# Altium PCB HYDRA_V4_LINK_V2.PcbDoc (part 3 of 3)
Units mm, origin at the board's own origin, x right, y up, seen from the top; angles counter-clockwise.
Board outline 50 x 44 mm, 4 copper layers (TOP SIG, PWR + INT SIG, GND, BOTTOM SIG), stack 1.586 mm thick; 197 components, 145 nets, 764 pads, 280 vias.
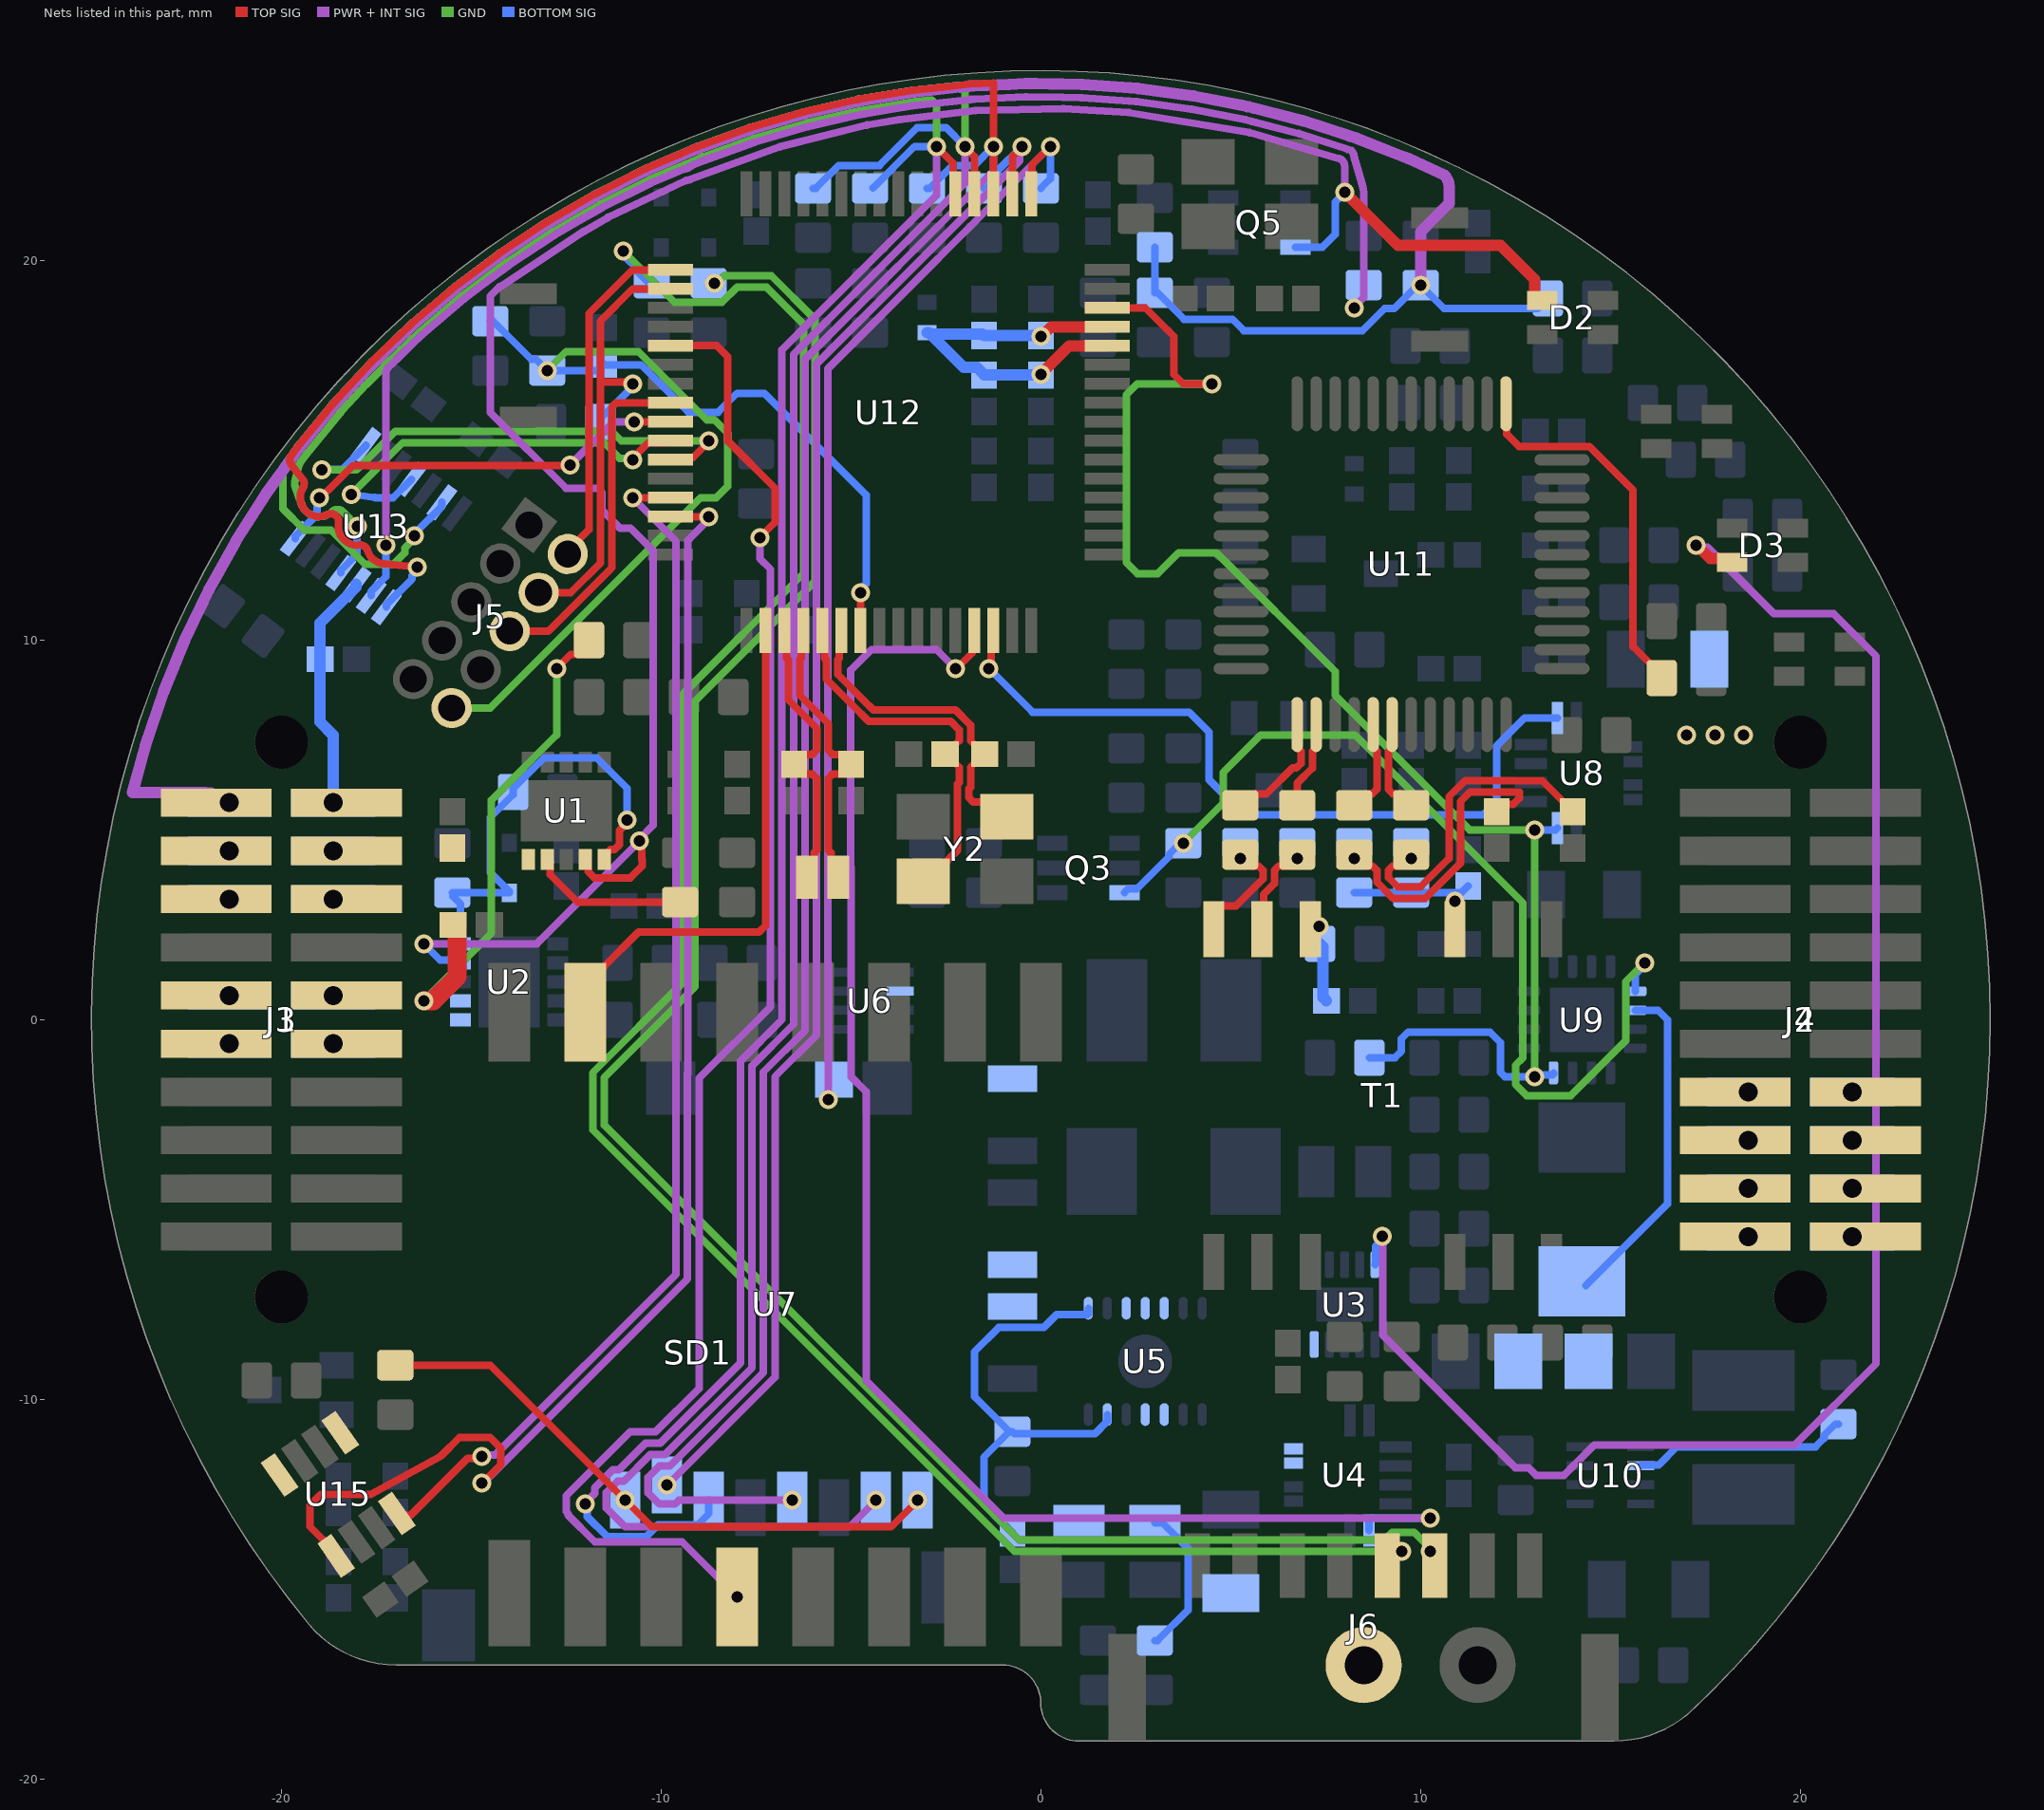
[diagram p5: the nets of this part, all layers, seen from the top]

## Via types
v1: diameter 0.5, hole 0.3, TOP SIG to BOTTOM SIG, tented both sides, 235 vias
v2: diameter 0.7, hole 0.5, TOP SIG to BOTTOM SIG, tented both sides, 40 vias
v3: diameter 0.5, hole 0.3, TOP SIG to BOTTOM SIG, 5 vias

## Nets (pads, with @x,y where several pads share a name; then routed paths per layer and width w, separated by ;. In a path a pad name is that pad's centre, name@x,y a point inside that pad or via, vN(x,y) a via of type N, cw(c..) or ccw(c..) an arc to the next point about the centre after c; other vN are vias at no path point) (continued)
NetR98_2: R98.2 U13.9 | length 37.9
  PWR + INT SIG w0.2: v1(-17.25,12.5) -17.25,16.949 cw(c-17.05,16.949) -17.25,16.954 -17.248,17.03 cw(c-17.048,17.025) -17.19,17.165 -16.811,17.544 cw(c-16.669,17.403) -16.808,17.547 -16.552,17.793 -16.298,18.037 cw(c-16.159,17.892) -16.289,18.044 -15.189,18.98 cw(c-15.06,18.827) -15.18,18.987 -14.603,19.421 -14.026,19.855 cw(c-13.906,19.695) -14.016,19.861 -12.812,20.659 cw(c-12.702,20.492) -12.8,20.666 -12.177,21.027 -11.552,21.389 ; -11.551,21.389 cw(c-11.453,21.215) -11.543,21.394 -10.253,22.041 cw(c-10.163,21.862) -10.242,22.046 -9.642,22.304 ; -9.641,22.304 -9.414,22.401 ccw(c-9.414,22.68) -9.217,22.483 cw(c-9.109,22.314) -9.188,22.498 -8.915,22.615 cw(c-8.837,22.431) -8.906,22.619 cw(c-8.799,22.337) -8.901,22.621 -7.549,23.107 cw(c-7.447,22.823) -7.545,23.109 cw(c-7.478,22.92) -7.533,23.112 cw(c-7.447,22.823) -7.532,23.113 -6.971,23.277 -6.15,23.518 cw(c-6.094,23.326) -6.138,23.521 -4.734,23.844 cw(c-4.667,23.55) -4.73,23.845 cw(c-4.687,23.649) -4.718,23.847 cw(c-4.667,23.55) -4.717,23.847 -4.643,23.859 -3.767,24.006 -3.295,24.085 ; -3.295,24.085 cw(c-3.263,23.887) -3.284,24.086 -1.852,24.238 cw(c-1.831,24.039) -1.841,24.239 -1.755,24.243 cw(c-1.745,24.044) -1.753,24.243 -1.751,24.244 -0.397,24.306 cw(c-0.384,24.004) -0.381,24.306 0.586,24.293 1.058,24.286 cw(c1.055,24.086) 1.06,24.286 cw(c1.058,24.086) 1.074,24.285 cw(c1.053,23.984) 1.075,24.285 2.326,24.193 2.509,24.179 cw(c2.486,23.878) 2.512,24.179 cw(c2.497,23.979) 2.524,24.178 3.951,23.986 cw(c3.924,23.788) 3.953,23.986 3.957,23.985 cw(c3.928,23.787) 3.966,23.983 5.38,23.706 cw(c5.322,23.41) 5.396,23.703 5.557,23.661 6.789,23.342 cw(c6.713,23.05) 6.792,23.341 cw(c6.741,23.148) 6.804,23.337 cw(c6.713,23.05) 6.806,23.337 8.086,22.922 8.176,22.893 cw(c7.998,22.715) 8.25,22.715 8.261,22.686 ccw(c8.448,22.756) 8.263,22.681 cw(c7.8,22.487) 8.282,22.625 8.48,21.94 cw(c8,21.8) 8.5,21.8 8.5,19.017 8.25,18.767 v1(8.25,18.75)
  BOTTOM SIG w0.2: U13.9@-17.63,11.166 -17.63,11.285 -17.25,11.665 v1(-17.25,12.5)
NetU4_11: U4.11 U12.13 | length 41.5
  TOP SIG w0.2: v1(-2.25,9.25) -2.216,9.25 -1.802,9.663 -1.802,10.198 U12.13@-1.75,10.25
  PWR + INT SIG w0.2: v1(-2.25,9.25) -2.75,9.75 -4.457,9.75 -5.002,9.206 -5.002,4.012 -4.997,4.007 -4.997,-1.503 -4.6,-1.9 -4.6,-9.5 -0.977,-13.123 v1(10.25,-13.123)
  BOTTOM SIG w0.2: U4.11@8.648,-13.45 8.648,-13.175 8.698,-13.125 10.248,-13.125 v1(10.25,-13.123)
NetU7_4: U7.4 U12.53 | length 40.9
  TOP SIG w0.2: U12.53@-9.75,17.75 -9.744,17.756 -8.538,17.756 -8.245,17.463 -8.245,15.245 -7,14 -7,13.1 v1(-7.4,12.7)
  PWR + INT SIG w0.2: v1(-8,-15.2) -9.45,-13.75 -11.75,-13.75 -12.442,-13.058 -12.442,-13.015 -12.5,-12.957 -12.5,-12.543 -10.812,-10.855 -10.141,-10.855 -9,-9.714 -9,-1.543 -7.116,0.341 -7.116,11.863 -7.4,12.147 v1(-7.4,12.7)
NetU7_15: U7.15 U12.2 | length 13.9
  TOP SIG w0.2: U7.15@-12,0.2 -12,0.95 -11.55,1.4 -11.5,1.4 -10.595,2.305 -7.422,2.305 -7.25,2.477 U12.2@-7.25,10.25
NetU8_11: U8.11 U12.14 | length 20.3
  TOP SIG w0.2: v1(-1.364,9.25) -1.364,9.331 -1.302,9.393 -1.302,10.198 U12.14@-1.25,10.25
  BOTTOM SIG w0.2: v1(-1.364,9.25) -0.214,8.1 3.902,8.1 4.427,7.575 4.427,6.323 5.352,5.398 11.648,5.398 12,5.75 12,7.208 12.742,7.95 U8.11@13.602,7.95
NetU12_57: U12.57 U13.14 | length 11.4
  TOP SIG w0.2: v1(-19,13.75) -18.957,13.75 -18.107,14.6 -12.404,14.6 v1(-12.4,14.604) ; v1(-10.709,15.75) U12.57@-9.75,15.75
  PWR + INT SIG w0.2: v1(-12.4,14.604) -12.396,14.604 -11.259,15.741 -10.718,15.741 v1(-10.709,15.75)
  BOTTOM SIG w0.2: U13.14@-19.627,12.671 -19.627,12.737 -19.057,13.306 -19.057,13.693 v1(-19,13.75)
NetU12_58: U12.58 U13.4 | length 11.2
  TOP SIG w0.2: v1(-10.75,14.75) -10.75,14.784 -10.337,15.198 -9.802,15.198 U12.58@-9.75,15.25
  GND w0.2: v1(-18.161,13.839) -16.8,15.2 -11.5,15.2 -11.089,14.789 -10.789,14.789 v1(-10.75,14.75)
  BOTTOM SIG w0.2: v1(-18.161,13.839) -17.539,13.752 ccw(c-17.511,13.95) -17.511,13.75 -17.054,13.75 U13.4@-16.571,14.232
NetU12_59: U12.59 U13.1 | length 13.4
  TOP SIG w0.2: U12.59@-9.75,14.75 -9.698,14.802 -9.163,14.802 -8.75,15.216 v1(-8.75,15.25)
  GND w0.2: v1(-18.936,14.479) -18.021,14.479 -16.998,15.502 -11.302,15.502 -11.05,15.25 v1(-8.75,15.25)
  BOTTOM SIG w0.2: v1(-18.936,14.479) -18.914,14.5 -18.388,14.5 -17.77,15.119 U13.1@-17.77,15.135
NetU12_61: U12.61 U15.4 | length 31.9
  TOP SIG w0.2: U15.4@-16.956,-13.006 -16.904,-13.057 -16.597,-13.057 -15.098,-11.557 -14.772,-11.557 v1(-14.714,-11.5) ; v1(-10.75,13.75) U12.61@-9.75,13.75
  PWR + INT SIG w0.2: v1(-14.714,-11.5) -14.683,-11.468 -14.368,-11.468 -9.603,-6.703 -9.603,-1.293 -9.602,-1.291 -9.602,12.602 v1(-10.75,13.75)
NetU12_62: U12.62 U15.1 | length 37.3
  TOP SIG w0.2: U15.1@-18.597,-14 -19.25,-13.347 -19.25,-12.793 -18.957,-12.5 -17.647,-12.5 -15.829,-11.516 -15.783,-11.481 -15.302,-11 -14.507,-11 -14.214,-11.293 -14.214,-11.714 -14.704,-12.204 v1(-14.714,-12.204) ; U12.62@-9.75,13.25 v1(-8.75,13.25)
  PWR + INT SIG w0.2: v1(-14.714,-12.204) -14.677,-12.204 -9.302,-6.828 -9.302,-1.418 -9.3,-1.416 -9.3,12.619 -8.75,13.169 v1(-8.75,13.25)
NetU15_5: U15.5
NetU15_8: U15.8
nLINK_LED: R77.1 U11.25 | length 10
  TOP SIG w0.2: U11.25@12.25,16.225 12.269,16.206 12.269,15.426 12.594,15.102 14.446,15.102 15.598,13.949 15.598,9.827 16.35,9.075 R77.1@16.35,9
nREG_FLT: R47.1 U8.6 U9.4 U12.30 | length 38.9
  TOP SIG w0.2: U12.30@1.75,18.75 2.75,18.75 3.5,18 3.5,17 3.75,16.75 v1(4.5,16.75)
  GND w0.2: v1(4.5,16.75) 2.543,16.75 2.25,16.457 2.25,12.043 2.543,11.75 3.077,11.75 3.625,12.298 4.628,12.298 7.75,9.177 7.75,8.543 11.293,5 v1(13,5) v1(13,-1.5)
  BOTTOM SIG w0.2: R47.1@8.65,-1 9.325,-1 9.498,-0.827 9.498,-0.5 9.675,-0.323 11.825,-0.323 12.1,-0.598 12.1,-1.383 12.217,-1.5 v1(13,-1.5) 13.05,-1.45 13.475,-1.45 13.5,-1.425 U9.4@13.5,-1.4 ; v1(13,5) 13.552,5 U8.6@13.602,5.05
nSHDN: D1.1 R7.1 R8.2 U1.5 U2.5 | length 11.9
  TOP SIG w0.2: U1.5@-11.5,4.215 -11.425,4.29 -11.425,4.39 -11.327,4.488 -11.216,4.488 -11.098,4.606 -11.098,4.983 -10.9,5.181 v1(-10.9,5.262)
  BOTTOM SIG w0.2: R7.1@-15.5,3.35 -15.49,3.34 D1.1@-14,3.34 -14,3.38 -14.1,3.48 -14.5,3.88 -14.5,5.325 -13.9,5.925 R8.2@-13.9,6 -13.9,6.075 -13.075,6.9 -11.7,6.9 -10.9,6.1 v1(-10.9,5.262) ; R7.1@-15.485,3.25 -15.285,3.05 U2.5@-15.285,2
PG_N: D3.1 U3.5 | length 44.9
  TOP SIG w0.3: v1(17.25,12.5) 17.276,12.5 17.626,12.15 18.1,12.15 D3.1@18.2,12.05
  PWR + INT SIG w0.2: v1@8.997,-5.702 v1(8.998,-5.7) ; v1(8.998,-5.7) 9,-8.307 12.493,-11.8 12.843,-11.8 13.041,-11.998 13.778,-11.998 14.577,-11.2 19.857,-11.2 21.998,-9.059 21.998,9.575 20.875,10.698 19.302,10.698 17.557,12.443 17.307,12.443 v1(17.25,12.5)
  BOTTOM SIG w0.2: U3.5@8.8,-6.45 8.815,-6.435 8.815,-5.965 8.998,-5.781 v1(8.998,-5.7)
PRE_3V3: C4.1 J1.09 J1.10 J1.11 J1.12 J3.09 J3.10 J3.11 J3.12 R9.1 U2.1 U2.2 | length 14
  TOP SIG w0.2: v1(-12.75,9.25) -12.375,9.625 -12.2,9.625 -11.9,9.925 R9.1@-11.9,10
  TOP SIG w0.5: v1(-16.25,0.5) -16,0.5 -15.371,1.129 -15.371,2.414 -15.457,2.5 C4.1@-15.479,2.5
  GND w0.2: v1(-16.25,0.5) -14.471,2.279 -14.471,5.779 -12.75,7.5 v1(-12.75,9.25)
  other v2: -21.365,-0.635 -18.635,-0.635 -21.365,0.635 -18.635,0.635
PRE_5V: C1.1 J1.03 J1.04 J1.05 J1.06 J3.03 J3.04 J3.05 J3.06 R1.1 U1.1 U1.2 | length 4.2
  TOP SIG w0.2: U1.1@-13.5,4.215 U1.1@-13.475,4.19 ; U1.2@-13,4.215 -12.925,4.14 -12.925,3.825 -12.2,3.1 R1.1@-9.5,3.1
  other v2: -21.365,3.175 -18.635,3.175 -21.365,4.445 -18.635,4.445
PWR_nFLT: D2.4 Q5.3 U1.4 U2.4 | length 61.2
  TOP SIG w0.2: U1.4@-12,4.215 -11.925,4.14 -11.925,3.905 -11.759,3.738 -10.804,3.738 -10.5,4.043 -10.5,4.209 -10.506,4.215 -10.506,4.649 v1(-10.564,4.706)
  TOP SIG w0.3: v1(8,21.8) 9.4,20.4 12.1,20.4 13,19.5 13,19.05 13.1,18.95 D2.4@13.2,18.95
  PWR + INT SIG w0.2: v1(-16.25,2) -13.27,2 v1(-10.564,4.706) -10.564,4.766 -10.205,5.125 -10.205,12.352 -10.801,12.948 -11.082,12.948 -11.552,13.418 -11.552,13.883 -11.669,14 -12.503,14 -14.5,15.997 -14.5,19.058 -14.294,19.264 -14.252,19.306 -14.192,19.332 -12.023,20.767 cw(c-11.912,20.601) -12.013,20.774 -11.41,21.123 cw(c-11.31,20.95) -11.395,21.13 -9.361,22.093 cw(c-9.275,21.912) -9.31,22.109 ccw(c-9.414,22.68) -9.215,22.135 -6.882,22.989 cw(c-6.814,22.801) -6.862,22.995 -4.589,23.562 cw(c-4.54,23.368) -4.574,23.565 -3.717,23.708 ; -3.717,23.708 cw(c-3.684,23.511) -3.708,23.71 -1.734,23.942 cw(c-1.711,23.743) -1.715,23.943 0.584,23.991 cw(c0.588,23.791) 0.599,23.991 2.304,23.892 ; 2.305,23.892 cw(c2.293,23.692) 2.325,23.89 5.485,23.367 ; 5.486,23.367 cw(c5.453,23.17) 5.509,23.362 7.856,22.68 cw(c7.8,22.487) 8,22.487 v1(8,21.8)
  BOTTOM SIG w0.2: v1(-16.25,2) -15.825,1.575 -15.36,1.575 U2.4@-15.285,1.5 ; Q5.3@6.7,20.35 7.414,20.35 7.75,20.686 7.75,21.533 8,21.783 v1(8,21.8)
PYRO_PWR: F2.1 J2.13 J2.14 J2.15 J2.16 J2.17 J2.18 J2.19 J2.20 J4.13 J4.14 J4.15 J4.16 J4.17 J4.18 J4.19 J4.20
  other v1: 17,7.5 17.75,7.5 18.5,7.5
  other v2: 18.635,-5.715 21.365,-5.715 18.635,-4.445 21.365,-4.445 18.635,-3.175 21.365,-3.175 18.635,-1.905 21.365,-1.905
RAW_RX_N: R70.2 U11.5 | length 2.5
  TOP SIG w0.2: R70.2@8.25,5.65 8.55,5.95 8.732,5.95 8.849,6.067 8.849,6.333 8.849,7.074 8.75,7.173 U11.5@8.75,7.775
RAW_RX_P: R67.2 U11.6 | length 2.5
  TOP SIG w0.2: U11.6@9.25,7.775 9.25,7.173 9.151,7.074 9.151,6.458 9.151,6.067 9.268,5.95 9.45,5.95 R67.2@9.75,5.65
RAW_TX_N: R64.2 U11.1 | length 3.1
  TOP SIG w0.2: R64.2@5.25,5.65 5.55,5.95 5.948,5.95 6.631,6.633 6.732,6.633 6.849,6.75 6.849,7.074 6.75,7.173 U11.1@6.75,7.775
RAW_TX_P: R61.2 U11.2 | length 2.3
  TOP SIG w0.2: R61.2@6.75,5.65 6.759,5.659 6.759,6.233 7.151,6.625 7.151,7.074 7.25,7.173 U11.2@7.25,7.775
REG_3V3: C11.1 C12.1 C13.1 U5.3 U5.4 U5.5 U6.6
REG_EN: Q3.6 R46.1 U9.13 | length 26.2
  GND w0.2: v1(3.75,4.65) 4.8,5.7 4.8,6.507 5.793,7.5 8.273,7.5 12.698,3.075 12.698,-1.002 12.5,-1.2 12.5,-1.707 12.793,-2 13.957,-2 15.4,-0.557 15.4,1 v1(15.9,1.5)
  BOTTOM SIG w0.2: Q3.6@2.2,3.35 2.3,3.45 2.535,3.45 3.375,4.29 3.375,4.35 3.675,4.65 v1(3.75,4.65) ; U9.13@15.65,0.75 15.65,1.175 15.9,1.425 v1(15.9,1.5)
REG_OUT: C21.1 C22.1 L2.2 R55.1 U9.14 U10.6 | length 14.5
  BOTTOM SIG w0.2: L2.2@14.358,-7 16.5,-4.858 16.5,0 16.25,0.25 U9.14@15.65,0.25 ; U10.6@15.8,-11.75 15.814,-11.736 16.264,-11.736 16.75,-11.25 20.4,-11.25 20.625,-11.025 20.625,-10.95 20.925,-10.65 R55.1@21,-10.65
RESETN: C61.1 J5.10 R93.1 R95.2 U12.7 | length 32.9
  TOP SIG w0.2: U12.7@-4.75,10.25 v1(-4.75,11.25)
  GND w0.2: J5.10@-15.514,8.207 -14.5,8.207 -8.957,13.75 -8.543,13.75 -8.25,14.043 -8.25,15.457 -8.593,15.8 -8.8,15.8 -10.6,17.6 -12.5,17.6 v1(-13,17.1)
  BOTTOM SIG w0.2: R95.2@-14.5,18.4 -14.425,18.4 -13.425,17.4 -13.3,17.4 v1(-13,17.1) -11.671,17.1 C61.1@-11.5,17.271 -11.479,17.25 -10.528,17.25 -9.278,16 -8.5,16 -8,16.5 -7.282,16.5 -4.6,13.818 -4.6,11.481 -4.75,11.331 v1(-4.75,11.25)
RFD_RX: J6.5 R44.1 | length 56.5
  GND w0.2: v1(-11,20.25) -9.65,18.9 -8.393,18.9 -7.994,19.298 -7.225,19.298 -6.25,18.323 -6.25,11.75 -9.405,8.595 -9.405,0.995 -11.8,-1.4 -11.8,-2.9 -0.7,-14 v1(9.5,-14)
  BOTTOM SIG w0.2: v1(-11,20.25) -10.943,20.193 -10.943,20.093 -10.625,19.775 -10.625,19.7 -10.325,19.4 R44.1@-10.25,19.4
RFD_TX: J6.6 R33.1 | length 53.3
  GND w0.2: v1(-8.6,19.4) -8.533,19.4 -8.333,19.6 -7.1,19.6 -5.948,18.448 -5.948,11.552 -9.103,8.397 -9.103,0.87 -11.498,-1.525 -11.498,-2.775 -0.575,-13.698 9.052,-13.698 9.25,-13.5 9.831,-13.5 10.25,-13.919 v1(10.25,-14)
RX_CT: C30.1 R68.2 R72.1 T1.3 | length 3.1
  BOTTOM SIG w0.2: R72.1@8.25,3.35 11.079,3.35 C30.1@11.25,3.521
  other v1: 10.905,3.118
RX_N: C28.1 R70.1 R72.2 | length 8
  TOP SIG w0.2: R70.1@8.25,4.35 8.55,4.05 8.732,4.05 8.849,3.933 8.849,3.625 9.276,3.198 10.125,3.198 11.052,4.125 11.052,5.75 11.302,6 12.6,6 12.6,5.834 12.436,5.671 12.192,5.671 C28.1@12,5.479
  other v1: 8.25,4.25
RX_P: C27.1 R67.1 R68.1 | length 8.4
  TOP SIG w0.2: R67.1@9.75,4.35 9.45,4.05 9.268,4.05 9.151,3.933 9.151,3.75 9.401,3.5 10,3.5 10.75,4.25 10.75,5.875 11.177,6.302 13.198,6.302 14,5.5 C27.1@14,5.479
  other v1: 9.75,4.25
SD_CD: R41.2 SD1.9 U12.33 | length 30.2
  TOP SIG w0.2: U12.33@-0.25,21.75 -0.238,21.762 -0.238,22.512 v1(0.25,23)
  PWR + INT SIG w0.2: v1(-5.6,-2.1) -5.6,1.495 -5.608,1.503 -5.608,17.142 v1(0.25,23)
  BOTTOM SIG w0.2: R41.2@0,21.9 0.25,22.15 v1(0.25,23)
SD_CLK: R39.2 SD1.5 U12.35 U13.8 | length 76.9
  TOP SIG w0.2: v1(-16.418,11.918) -17.298,12.002 cw(c-17.25,12.5) -17.73,12.361 ccw(c-17.922,12.304) -17.944,12.503 cw(c-18,13) -18.492,13.088 ccw(c-18.689,13.123) -18.777,13.302 cw(c-19,13.75) -19.426,14.011 ccw(c-19.598,14.115) -19.439,14.237 -19.735,14.616 cw(c-19.576,14.738) -19.739,14.855 -19.573,15.085 -18.639,16.224 cw(c-18.484,16.097) -18.631,16.233 -17.634,17.311 cw(c-17.488,17.175) -17.626,17.319 -17.131,17.794 -16.567,18.335 cw(c-16.429,18.19) -16.558,18.343 -15.439,19.294 cw(c-15.31,19.141) -15.431,19.3 ; -15.431,19.3 -14.258,20.183 cw(c-14.138,20.023) -14.248,20.19 -13.451,20.718 -13.024,21 cw(c-12.914,20.833) -13.015,21.006 -11.744,21.742 cw(c-11.644,21.569) -11.734,21.747 -10.422,22.406 cw(c-10.333,22.227) -10.412,22.41 -9.5,22.801 -9.063,22.989 cw(c-8.984,22.805) -9.052,22.993 -7.671,23.49 cw(c-7.603,23.302) -7.659,23.494 -6.251,23.907 cw(c-6.195,23.715) -6.24,23.91 -6.154,23.93 -4.809,24.238 ; -4.809,24.238 cw(c-4.765,24.043) -4.798,24.241 -3.35,24.483 cw(c-3.317,24.285) -3.338,24.484 -2.6,24.563 -1.879,24.639 cw(c-1.858,24.44) -1.867,24.64 -1.248,24.669 -1.248,23.002 v1(-1.25,23) U12.35@-1.25,21.75
  PWR + INT SIG w0.2: v1(-6.54,-12.66) -9.533,-12.66 -9.633,-12.76 -10.047,-12.76 -10.34,-12.467 -10.34,-12.053 -10.047,-11.76 -9.767,-11.76 -7.302,-9.295 -7.302,-1.375 -6.211,-0.285 -6.211,17.392 -1.25,22.353 v1(-1.25,23)
  BOTTOM SIG w0.2: U13.8@-17.23,10.865 -17.23,10.931 -16.557,11.604 -16.557,11.697 -16.418,11.837 v1(-16.418,11.918) ; R39.2@-3,21.9 -2.925,21.9 -2.323,22.502 -2,22.502 -1.748,22.502 v1(-1.25,23)
SD_CMD: R36.2 SD1.3 U12.37 U13.11 | length 73.2
  TOP SIG w0.2: v1(-2.75,23) -2.302,22.552 -2.302,21.802 U12.37@-2.25,21.75
  PWR + INT SIG w0.2: v1(-12,-12.75) -12,-12.741 -11.742,-12.483 -11.742,-12.328 -11.272,-11.858 -11.108,-11.858 -10.407,-11.157 -10.016,-11.157 -7.905,-9.045 -7.905,-1.088 -6.814,0.002 -6.814,17.642 -2.75,21.706 v1(-2.75,23)
  GND w0.2: v1(-18,13) -18.38,13.38 ccw(c-18.522,13.239) -18.658,13.385 cw(c-19,13.75) -19.47,13.58 -19.638,14.045 cw(c-19.45,14.112) -19.645,14.157 -19.545,14.583 cw(c-19.35,14.537) -19.512,14.655 -19.337,14.896 cw(c-19.175,14.778) -19.33,14.905 -18.871,15.466 -18.411,16.027 cw(c-18.257,15.899) -18.404,16.035 -17.768,16.723 -17.444,17.046 ccw(c-19.24,18.842) -17.264,17.247 cw(c-17.108,17.121) -17.247,17.264 -16.365,18.111 cw(c-16.226,17.967) -16.356,18.119 -15.677,18.696 -15.251,19.058 cw(c-15.122,18.905) -15.243,19.065 -14.084,19.936 cw(c-13.964,19.776) -14.074,19.943 -14.001,19.991 ; -14,19.992 -12.865,20.744 cw(c-12.755,20.577) -12.855,20.75 -11.6,21.476 cw(c-11.501,21.303) -11.591,21.481 -11.269,21.643 -10.295,22.132 cw(c-10.205,21.953) -10.285,22.137 -8.952,22.708 cw(c-8.873,22.525) -8.941,22.713 -8.899,22.728 -7.577,23.203 cw(c-7.509,23.015) -7.566,23.207 -6.175,23.615 cw(c-6.119,23.423) -6.164,23.618 -4.751,23.942 ; -4.751,23.942 cw(c-4.706,23.747) -4.739,23.945 -3.309,24.184 ; -3.309,24.184 cw(c-3.276,23.987) -3.298,24.185 -2.971,24.22 -2.867,24.22 -2.75,24.103 v1(-2.75,23)
  BOTTOM SIG w0.2: U13.11@-18.429,11.768 -18.429,11.841 -18.003,12.267 v1@-18.003,12.997 ; v1(-12,-12.75) -11.943,-12.807 -11.943,-13.093 -11.424,-13.612 -10.383,-13.612 -10.081,-13.31 -9.04,-13.31 -8.74,-13.01 SD1.3@-8.74,-12.66 ; R36.2@-4.422,21.903 -3.325,23 v1(-2.75,23)
SD_CS: R40.2 SD1.2 U12.34 | length 42
  TOP SIG w0.2: U12.34@-0.75,21.75 -0.75,22.733 -0.5,22.983 v1(-0.5,23)
  PWR + INT SIG w0.2: v1(-9.84,-12.26) -7,-9.42 -7,-1.5 -5.91,-0.41 -5.91,17.267 -0.557,22.619 -0.557,22.943 v1(-0.5,23)
  BOTTOM SIG w0.2: R40.2@-1.5,21.9 -1.43,21.9 -1.13,22.2 -1.13,22.37 v1(-0.5,23)
SD_DAT0: R37.2 SD1.7 U12.36 U13.6 | length 83.5
  TOP SIG w0.2: v1(-2,23.002) -2,22.983 -1.75,22.733 U12.36@-1.75,21.75
  PWR + INT SIG w0.2: v1(-4.34,-12.66) -5.04,-13.36 -10.947,-13.36 -11.44,-12.867 -11.44,-12.453 -11.147,-12.16 -10.983,-12.16 -10.282,-11.458 -9.891,-11.458 -7.603,-9.17 -7.603,-1.213 -6.513,-0.123 -6.513,17.517 -2,22.03 v1(-2,23.002)
  GND w0.2: v1(-16.5,12.75) -16.5,12.669 -16.75,12.419 -16.75,12.293 -17.043,12 -17.8,12 -18.7,12.9 -19.4,12.9 -19.96,13.46 -19.96,14.485 cw(c-19.76,14.485) -19.922,14.603 -19.576,15.08 cw(c-19.414,14.962) -19.569,15.089 -18.639,16.224 cw(c-18.484,16.097) -18.631,16.233 -17.634,17.311 cw(c-17.488,17.175) -17.626,17.319 -17.48,17.459 -16.572,18.33 cw(c-16.226,17.967) -16.552,18.348 -15.642,19.121 -15.439,19.294 cw(c-15.31,19.141) -15.431,19.3 ; -15.431,19.3 -15.291,19.406 -14.265,20.177 cw(c-13.964,19.776) -14.24,20.195 -13.916,20.41 -13.519,20.672 -13.024,21 cw(c-12.914,20.833) -13.015,21.006 -11.744,21.742 -11.743,21.742 cw(c-11.645,21.568) -11.735,21.747 -11.727,21.751 ; -11.726,21.751 -11.135,22.048 -10.422,22.406 cw(c-10.333,22.227) -10.412,22.41 -9.641,22.741 -9.125,22.962 -9.071,22.985 cw(c-8.873,22.524) -9.042,22.997 -7.678,23.488 cw(c-7.509,23.015) -7.65,23.497 -6.26,23.905 cw(c-6.119,23.423) -6.232,23.912 -4.817,24.237 cw(c-4.706,23.747) -4.788,24.242 -3.36,24.481 cw(c-3.276,23.987) -3.328,24.485 -2.519,24.571 -2.221,24.603 -2.117,24.603 -2,24.486 v1(-2,23.002)
  BOTTOM SIG w0.2: v1(-16.5,12.75) -16.5,12.793 -15.773,13.521 U13.6@-15.773,13.63 ; R37.2@-6,21.9 -5.925,21.9 -5.323,22.502 -4.25,22.502 -3.252,23.5 -2.498,23.5 v1(-2,23.002)
SD_DAT_PULL_UP: R38.2 SD1.1 SD1.8 | length 15.8
  TOP SIG w0.2: R38.2@-17,-9.1 -14.5,-9.1 -10.24,-13.36 -3.94,-13.36 v1(-3.24,-12.66)
  other v1: -10.94,-12.66
SWCLK: J5.04 R85.1 U12.50 | length 12.7
  TOP SIG w0.2: J5.04@-13.221,11.25 -12.377,11.25 -11.598,12.028 -11.598,16.8 ; v1(-10.747,16.75) -10.797,16.8 -11.598,16.8 ; U12.50@-9.75,19.25 -10.75,19.25 -11.598,18.402 -11.598,16.8
  BOTTOM SIG w0.2: R85.1@-11.6,15.75 -11.6,15.825 -10.747,16.678 v1(-10.747,16.75)
SWDIO: J5.02 U12.49 | length 9.2
  TOP SIG w0.2: J5.02@-12.457,12.264 -12.457,12.354 -11.9,12.911 -11.9,18.6 -10.75,19.75 U12.49@-9.75,19.75
SWO: J5.06 U12.56 | length 9.2
  TOP SIG w0.2: J5.06@-13.986,10.236 -12.964,10.236 -11.297,11.903 -11.297,16.133 -11.18,16.25 U12.56@-9.75,16.25
TX_CT: C29.1 R76.2 T1.4 | length 1.6
  BOTTOM SIG w0.3: R76.2@7.35,2 7.436,1.914 7.436,0.586 C29.1@7.521,0.5
  other v1: 7.333,2.458
TX_N: R63.2 R64.1 T1.6 | length 3.1
  TOP SIG w0.2: T1.6@4.555,2.382 4.555,2.817 4.734,2.996 5.137,2.996 5.849,3.709 5.849,3.933 5.732,4.05 5.45,4.05 v1(5.25,4.25)
TX_P: R60.1 R61.1 T1.5 | length 2.4
  TOP SIG w0.2: T1.5@5.825,2.382 5.868,2.425 5.868,3.301 6.151,3.584 6.151,3.933 6.268,4.05 6.55,4.05 v1(6.75,4.25)
VBAT: C9.1 C10.1 R24.1 U3.10 U4.3 U4.4 U5.10 U5.11 | length 4
  BOTTOM SIG w0.2: R24.1@3,-16.35 3.075,-16.35 3.877,-15.548 3.877,-13.927 3.2,-13.25 C10.1@3,-13.25
VBAT_IN: F1.1 pad.3
VCC: C63.1 J1.01 J1.02 J3.01 J3.02 R16.1 R26.1 R83.2 R96.2 U13.10 | length 69.4
  PWR + INT SIG w0.3: v2(-21.365,5.715) ccw(c-22,5.08) -22,5.978 -23.921,5.978 -23.654,6.95 -23.581,7.216 cw(c-23.292,7.137) -23.576,7.234 -23.107,8.616 cw(c-22.823,8.518) -23.101,8.631 -22.838,9.276 -22.55,9.983 cw(c-22.272,9.869) -22.543,9.998 -21.912,11.314 cw(c-21.642,11.184) -21.904,11.33 -21.192,12.613 -20.403,13.851 ; -20.403,13.851 cw(c-20.151,13.689) -20.394,13.865 -19.538,15.047 cw(c-19.295,14.871) -19.528,15.061 -19.502,15.092 -18.603,16.189 cw(c-18.371,15.999) -18.591,16.202 -17.871,16.981 cw(c-17.651,16.777) -17.864,16.989 -17.055,17.797 -16.535,18.296 cw(c-16.328,18.079) -16.523,18.307 -15.41,19.253 ; -15.41,19.254 cw(c-15.217,19.024) -15.398,19.263 ; 2.351,24.543 1.101,24.636 ccw(c1.053,23.984) 1.098,24.636 ccw(c1.058,24.086) 1.067,24.638 ccw(c1.055,24.086) 1.063,24.638 0.586,24.644 0.238,24.649 -0.115,24.654 -0.386,24.658 ccw(c-0.39,24.358) -0.403,24.657 -0.833,24.638 -1.144,24.623 -1.414,24.611 -1.77,24.595 ccw(c-1.745,24.044) -1.772,24.595 -1.858,24.59 ccw(c-1.831,24.039) -1.89,24.588 -2.12,24.563 -3.322,24.436 ccw(c-3.263,23.887) -3.353,24.432 -3.481,24.41 -4.701,24.206 -4.775,24.194 ccw(c-4.667,23.55) -4.778,24.193 ccw(c-4.687,23.649) -4.809,24.187 ccw(c-4.734,23.844) -4.813,24.186 -4.815,24.186 -5.047,24.133 -6.218,23.864 ccw(c-6.093,23.326) -6.25,23.855 -6.734,23.713 -7.633,23.449 ccw(c-7.478,22.92) -7.66,23.441 ccw(c-7.447,22.823) -7.667,23.438 -9.021,22.951 ccw(c-8.799,22.337) -9.023,22.95 ccw(c-8.837,22.431) -9.054,22.939 -9.414,22.784 -9.781,22.627 -10.382,22.369 ccw(c-10.163,21.862) -10.411,22.355 -11.701,21.708 ccw(c-11.453,21.215) -11.728,21.693 -12.978,20.969 ccw(c-12.702,20.492) -13.007,20.951 -13.818,20.414 -13.98,20.307 -14.217,20.15 ccw(c-14.051,19.9) -14.231,20.141 -15.397,19.264 ; 2.352,24.543 2.534,24.53 cw(c2.486,23.878) 2.541,24.529 cw(c2.497,23.979) 2.571,24.526 2.697,24.509 ; 2.699,24.509 3.701,24.374 4.002,24.334 cw(c3.928,23.787) 4.035,24.328 5.3,24.08 5.447,24.051 cw(c5.322,23.41) 5.484,24.043 5.6,24.013 6.878,23.682 cw(c6.713,23.05) 6.882,23.681 cw(c6.741,23.148) 6.911,23.673 cw(c6.713,23.05) 6.914,23.671 8.136,23.275 8.286,23.227 cw(c8.115,22.703) 8.316,23.216 9.576,22.723 9.667,22.687 cw(c9.557,22.408) 9.683,22.68 10.631,22.242 cw(c10.343,21.954) 10.75,21.954 10.75,21.5 10,20.75 v1(10,19.35) ; -15.398,19.263 -15.397,19.264
  BOTTOM SIG w0.2: R26.1@3,20.35 R83.2@3,19.15 3.075,19.15 3.773,18.452 5.048,18.452 5.348,18.152 8.474,18.152 9.05,18.728 9.303,18.728 9.925,19.35 v1(10,19.35) 10.622,18.728 13.078,18.728 R16.1@13.35,19
  BOTTOM SIG w0.3: U13.10@-18.029,11.467 -18.029,11.4 -18.979,10.451 C63.1@-18.979,9.5 -18.979,7.839 -18.635,7.496 v2(-18.635,5.715) -18.22,5.715 J1.02@-18,5.935
VDDA: C50.1 C51.1 C54.1 C55.1 FB2.2 U12.28 U12.29 | length 10.3
  TOP SIG w0.3: v1(0,17) 0.75,17.75 U12.28@1.75,17.75 ; v1(0,18) 0.026,18 0.276,18.25 U12.29@1.75,18.25
  BOTTOM SIG w0.3: FB2.2@-3,18.1 -2.95,18.1 FB2.2@-2.911,18.061 ; v1(0,17) -0.021,16.979 C54.1@-1.5,16.979 -1.5,17 -1.686,17.186 -2.036,17.186 FB2.2@-2.911,18.061 ; v1(0,18) -0.021,18.021 C50.1@-1.5,18.021 -1.539,18.061 FB2.2@-2.911,18.061
VINA: C14.1 R30.1 U5.1 U5.13 | length 12.2
  BOTTOM SIG w0.2: C14.1@-0.75,-13.521 -0.75,-13.5 -0.986,-13.264 -1.008,-13.264 -1.5,-12.771 -1.5,-11.525 R30.1@-0.825,-10.85 ; U5.1@1.25,-7.6 1.25,-7.75 1.232,-7.769 0.416,-7.769 0.083,-8.102 -1.102,-8.102 -1.75,-8.75 -1.75,-9.925 R30.1@-0.825,-10.85 ; U5.13@1.75,-10.4 1.75,-10.58 1.428,-10.902 -0.698,-10.902 R30.1@-0.75,-10.85 R30.1@-0.825,-10.85
X32_N: C59.1 U12.4 Y3.2 | length 7.7
  TOP SIG w0.2: U12.4@-6.25,10.25 -6.302,10.198 -6.302,9.524 -6.349,9.477 -6.349,8.549 -5.776,7.976 -5.599,7.799 -5.599,7.103 -5.482,6.986 -5.236,6.986 -5,6.75 C59.1@-5,6.729 -5,6.707 -5.236,6.471 -5.482,6.471 -5.599,6.354 -5.599,5.496 -5.599,4.468 -5.525,4.394 -5.525,3.938 Y3.2@-5.338,3.75
X32_P: C58.1 U12.3 Y3.1 | length 7.7
  TOP SIG w0.2: U12.3@-6.75,10.25 -6.698,10.198 -6.698,9.524 -6.651,9.477 -6.651,8.424 -5.901,7.674 -5.901,7.103 -6.018,6.986 -6.264,6.986 -6.5,6.75 C58.1@-6.5,6.729 -6.5,6.707 -6.264,6.471 -6.018,6.471 -5.901,6.354 -5.901,5.62 -5.901,4.468 -5.975,4.394 -5.975,3.938 Y3.1@-6.163,3.75
X_N: C56.1 U12.6 Y2.1 | length 8.7
  TOP SIG w0.2: U12.6@-5.25,10.25 -5.302,10.198 -5.302,9.524 -5.349,9.477 -5.349,9.099 -4.662,8.412 -4.406,8.156 -2.244,8.156 -1.849,7.761 -1.849,7.349 C56.1@-1.5,7 ; C56.1@-1.479,7 C56.1@-1.5,7 ; Y2.1@-0.9,5.35 -1.286,5.736 -1.78,5.736 -1.897,5.853 -1.897,6.077 -1.849,6.125 -1.849,6.651 C56.1@-1.5,7
X_P: C57.1 U12.5 Y2.3 | length 10.1
  TOP SIG w0.2: U12.5@-5.75,10.25 -5.698,10.198 -5.698,9.524 -5.651,9.477 -5.651,8.974 -4.963,8.287 -4.531,7.855 -2.369,7.855 -2.151,7.636 -2.151,7.349 C57.1@-2.5,7 ; Y2.3@-3.1,3.65 -3,3.65 -2.193,4.457 -2.193,5.723 -2.198,5.728 -2.198,6.202 -2.151,6.25 -2.151,6.651 C57.1@-2.5,7 ; C57.1@-2.521,7 C57.1@-2.5,7
pads on no net: J1. J2. J3. J4. J5.07 J5.08 J5.09 U3.6 U7.5 U7.6 U7.7 U7.8 U7.10 U7.11 U9.17@14.25,0 U11.7 U11.12 U11.13 U11.18 U11.24 U11.26 U11.46 U11.47

## Polygon pours and split planes (outlines as drawn)
GND on TOP SIG "GND_L01_P097" (solid, remove dead copper, pour order 97): -16.975,-17 -1,-17 cw(c-1,-18) 0,-18 ccw(c1,-18) 1,-19 15.1,-19 ccw(c15.1,-16) 17.028,-18.298 17.031,-18.301 ccw(c0,0) 25,0 ccw(c0,0) -19.271,-15.926 -19.273,-15.928 ccw(c-16.975,-14)
AUX_RADIO_PWR on TOP SIG "AUX_RADIO_PWR_L01_P095" (solid, remove dead copper, pour order 95): 12.25,-13.25 12.25,-16 15.5,-16 15.5,-13.25
PRE_5V on TOP SIG "PRE_5V_L01_P059" (solid, remove dead copper, pour order 59): -12.825,3.675 -14,2.5 -23.5,2.5 -23.5,5 -14,5 -14,4.5 -13.99,4.49 -12.825,4.49
5V on TOP SIG "5V_L01_P031" (solid, remove dead copper, pour order 31): -15,6.5 -13.25,6.5 -13.25,8 -15,8
PYRO_PWR on TOP SIG "PYRO_PWR_L01_P079" (solid, remove dead copper, pour order 79): 16.825,-1.535 23.175,-1.535 23.175,-6.085 16.825,-6.085
VCC on TOP SIG "VCC_L01_P078" (solid, remove dead copper, pour order 78): -23.175,6.085 -23.175,5.345 -16.825,5.345 -16.825,6.085
PRE_3V3 on TOP SIG "PRE_3V3_L01_P064" (solid, remove dead copper, pour order 64): -23.175,1.005 -16.825,1.005 -16.825,-1.005 -23.175,-1.005
GND on PWR + INT SIG "GND_L02_P096" (solid, remove dead copper, pour order 96): -16.975,-17 -1,-17 cw(c-1,-18) 0,-18 ccw(c1,-18) 1,-19 15.1,-19 ccw(c15.1,-16) 17.028,-18.298 17.031,-18.301 ccw(c0,0) 25,0 ccw(c0,0) -19.271,-15.926 -19.273,-15.928 ccw(c-16.975,-14)
PYRO_PWR on PWR + INT SIG "PYRO_PWR_L02_P070" (solid, remove dead copper, pour order 70): 16.825,-1.535 23.175,-1.535 23.175,-6.085 16.825,-6.085
PRE_5V on PWR + INT SIG "PRE_5V_L02_P068" (solid, remove dead copper, pour order 68): -23.175,4.815 -16.825,4.815 -16.825,2.805 -23.175,2.805
VCC on PWR + INT SIG "VCC_L02_P069" (solid, remove dead copper, pour order 69): -23.175,6.085 -23.175,5.345 -16.825,5.345 -16.825,6.085
PRE_3V3 on PWR + INT SIG "PRE_3V3_L02_P067" (solid, remove dead copper, pour order 67): -23.175,1.005 -16.825,1.005 -16.825,-1.005 -23.175,-1.005
GND on BOTTOM SIG "GND_L04_P098" (solid, remove dead copper, pour order 98): -16.975,-17 -1,-17 cw(c-1,-18) 0,-18 ccw(c1,-18) 1,-19 15.1,-19 ccw(c15.1,-16) 17.028,-18.298 17.031,-18.301 ccw(c0,0) 25,0 ccw(c0,0) -19.271,-15.926 -19.273,-15.928 ccw(c-16.975,-14)
NetC26_2 on BOTTOM SIG "NETC26_2_L04_P081" (solid, remove dead copper, pour order 81): 13.75,-12 13.75,-12.5 16.5,-12.5 16.5,-16.25 21.25,-16.25 21.25,-11.5 16.5,-11.5 16.5,-12
VBAT on BOTTOM SIG "VBAT_L04_P086" (solid, remove dead copper, pour order 86): 6.5,-11 6.5,-8 7.5,-8 7.5,-12 4,-12 4,-14 0,-14 0,-11 2.5,-11 2.5,-10 3.5,-10 3.5,-11
5V on BOTTOM SIG "5V_L04_P090" (solid, remove dead copper, pour order 90): 6.5,-7 6.5,-2.75 8,-2.75 8,-7
REG_3V3 on BOTTOM SIG "REG_3V3_L04_P087" (solid, remove dead copper, pour order 87): -3.25,-8 -3.25,0.5 -4.5,0.5 -4.5,1 -1.5,1 -1.5,-0.75 0.25,-0.75 0.25,-2.25 -1.5,-2.25 -1.5,-5.5 1.5,-5.5 1.5,-6.5 3.5,-6.5 3.5,-8
INT_3V3 on BOTTOM SIG "INT_3V3_L04_P049" (solid, remove dead copper, pour order 49): -3.25,0.5 -3.25,0 -6,0 -6,-4 -7,-4 -7,0.5
PRE_3V3 on BOTTOM SIG "PRE_3V3_L04_P029" (solid, remove dead copper, pour order 29): -22.5,1 -22.5,-1 -15,-1 -15,1
PYRO_PWR on BOTTOM SIG "PYRO_PWR_L04_P048" (solid, remove dead copper, pour order 48): 16.5,10.5 16.5,7 19,7 19,10.5
NetL1_1 on BOTTOM SIG "NETL1_1_L04_P089" (solid, remove dead copper, pour order 89): 3.5,-9.75 5,-9.75 5,-8 4.5,-8 4.5,-5.5 4.25,-5.5 4.25,-2.75 6.5,-2.75 6.5,-11 3.5,-11
NetL1_2 on BOTTOM SIG "NETL1_2_L04_P088" (solid, remove dead copper, pour order 88): 3.5,-8 4.5,-8 4.5,-5.5 4.25,-5.5 4.25,-2.75 0.5,-2.75 0.5,-5.5 1.5,-5.5 1.5,-6.5 3.5,-6.5
VBAT_IN on BOTTOM SIG "VBAT_IN_L04_P085" (solid, remove dead copper, pour order 85): 4,-14 4,-18.5 10,-18.5 10,-15.5 6,-15.5 6,-14
NetF1_2 on BOTTOM SIG "NETF1_2_L04_P084" (solid, remove dead copper, pour order 84): 7.5,-12 4,-12 4,-14 7.5,-14
5V on BOTTOM SIG "5V_L04_P083" (solid, remove dead copper, pour order 83): 14.657,-12 11.75,-12 11.75,-10.25 13.75,-10.25 13.75,-11.5 14.657,-11.5
REG_OUT on BOTTOM SIG "REG_OUT_L04_P082" (solid, remove dead copper, pour order 82): 11.75,-8 11.75,-10.25 13.75,-10.25 13.75,-12 16.5,-12 16.5,-11.5 15.5,-11.5 15.5,-9.75 15.25,-9.75 15.25,-8 15.5,-8 15.5,-5.75 13,-5.75 13,-8
PYRO_PWR on BOTTOM SIG "PYRO_PWR_L04_P074" (solid, remove dead copper, pour order 74): 16.825,-1.535 23.175,-1.535 23.175,-6.085 16.825,-6.085
NetC23_1 on BOTTOM SIG "NETC23_1_L04_P045" (solid, remove dead copper, pour order 45): 14.5,2.5 14.5,6.5 16.5,6.5 16.5,1 13.75,1 13.75,1.75 13.75,2.5
PRE_5V on BOTTOM SIG "PRE_5V_L04_P065" (solid, remove dead copper, pour order 65): -23.175,4.815 -16.825,4.815 -16.825,2.805 -23.175,2.805
VCC on BOTTOM SIG "VCC_L04_P072" (solid, remove dead copper, pour order 72): -23.175,6.085 -23.175,5.345 -16.825,5.345 -16.825,6.085
3V3_OUT on BOTTOM SIG "3V3_OUT_L04_P032" (solid, remove dead copper, pour order 32): -12,-2.5 -8,-2.5 -8,1 -4.5,1 -4.5,0.5 -7,0.5 -7,-4 -13,-4 -13,0.25 -12,0.25
NetL2_1 on BOTTOM SIG "NETL2_1_L04_P020" (solid, remove dead copper, pour order 20): 13,-4.25 13,-2 13.75,-2 13.75,-1 15.5,-1 15.5,-4.25
NetF2_2 on BOTTOM SIG "NETF2_2_L04_P046" (solid, remove dead copper, pour order 46): 14.5,6.5 14.5,10.5 16.5,10.5 16.5,6.5
GND on GND "GND_L03_P101" (solid, remove dead copper, pour order 101): -16.975,-17 -1,-17 cw(c-1,-18) 0,-18 ccw(c1,-18) 1,-19 15.1,-19 ccw(c15.1,-16) 17.028,-18.298 17.031,-18.301 ccw(c0,0) 25,0 ccw(c0,0) -19.271,-15.926 -19.273,-15.928 ccw(c-16.975,-14)
INT_3V3 on GND "INT_3V3_L03_P066" (solid, remove dead copper, pour order 66): -7,-4 -7,-0.5 0,-0.5 0,1.5 2.5,1.5 2.5,-4
5V on GND "5V_L03_P056" (solid, remove dead copper, pour order 56): 6.5,-4 6.5,-6.75 11,-11.25 11,-12 13.75,-12 13.75,-10 7.75,-4
PRE_5V on GND "PRE_5V_L03_P100" (solid, remove dead copper, pour order 100): -23.175,4.815 -16.825,4.815 -16.825,2.805 -23.175,2.805
VCC on GND "VCC_L03_P099" (solid, remove dead copper, pour order 99): -23.175,6.085 -23.175,5.345 -16.825,5.345 -16.825,6.085
PRE_3V3 on GND "PRE_3V3_L03_P076" (solid, remove dead copper, pour order 76): -23.175,1.005 -16.825,1.005 -16.825,-1.005 -23.175,-1.005
PYRO_PWR on GND "PYRO_PWR_L03_P073" (solid, remove dead copper, pour order 73): 16,6 16,10.5 25.5,10.5 25.5,-6.5 18,-6.5 18,-1 20,-1 20,6

## Silkscreen, mask and mechanical layers (free items; w line width, h text height)
Top Overlay:
  region: 980 vertices and 2 holes, not listed, extent 15.33,-14.765 20.53,-8.499
  text "PWR" at 11.95,19.55 h0.75
  text "RST" at -17.05,16.95 h0.75
  text "MCU" at 15.35,16.65 h0.75
  text "UPS" at 17.85,13.65 h0.75
  text "ETH" at 19.45,10.65 h0.75
  text "DBG" at -21.79,10.53 h0.75 r323
  text "HYDRA_V4_LINK" at 3.15,-11.725 h0.75
  text "In LoRa we trust" at 3.1,-12.9 h0.5
  text "UART / ETH" at 15.4,-17.5 h0.75
Bottom Overlay:
  text "AUX BATT" at 12.874,-15.35 h0.75
  text "+" at 6.85,-17.375 h0.75
  text "-" at 12.9,-17.375 h0.75
Mechanical 1:
  circle w0.1: c0,0 r27
  lines w0.15: -19.273,-15.928 ccw(c-16.975,-14) -16.975,-17 -1,-17 cw(c-1,-18) 0,-18 ccw(c1,-18) 1,-19 15.1,-19 ccw(c15.1,-16) 17.028,-18.298 ; -19.271,-15.926 cw(c0,0) 25,0 cw(c0,0) 17.031,-18.301

## Text inside footprints (layer, text, board x,y; h text height)
T1: Top 3D Body "*" at 14.004,1.493 h1.27 r270; Top Overlay "*" at 13.877,2.953 h1.27 r270
U13: Bottom Overlay "*" at -17.568,15.699 h1.27 r53; Bottom 3D Body "*" at -17.543,14.273 h1.27 r53